# KiCad board kharon386_main.kicad_pcb (continued)
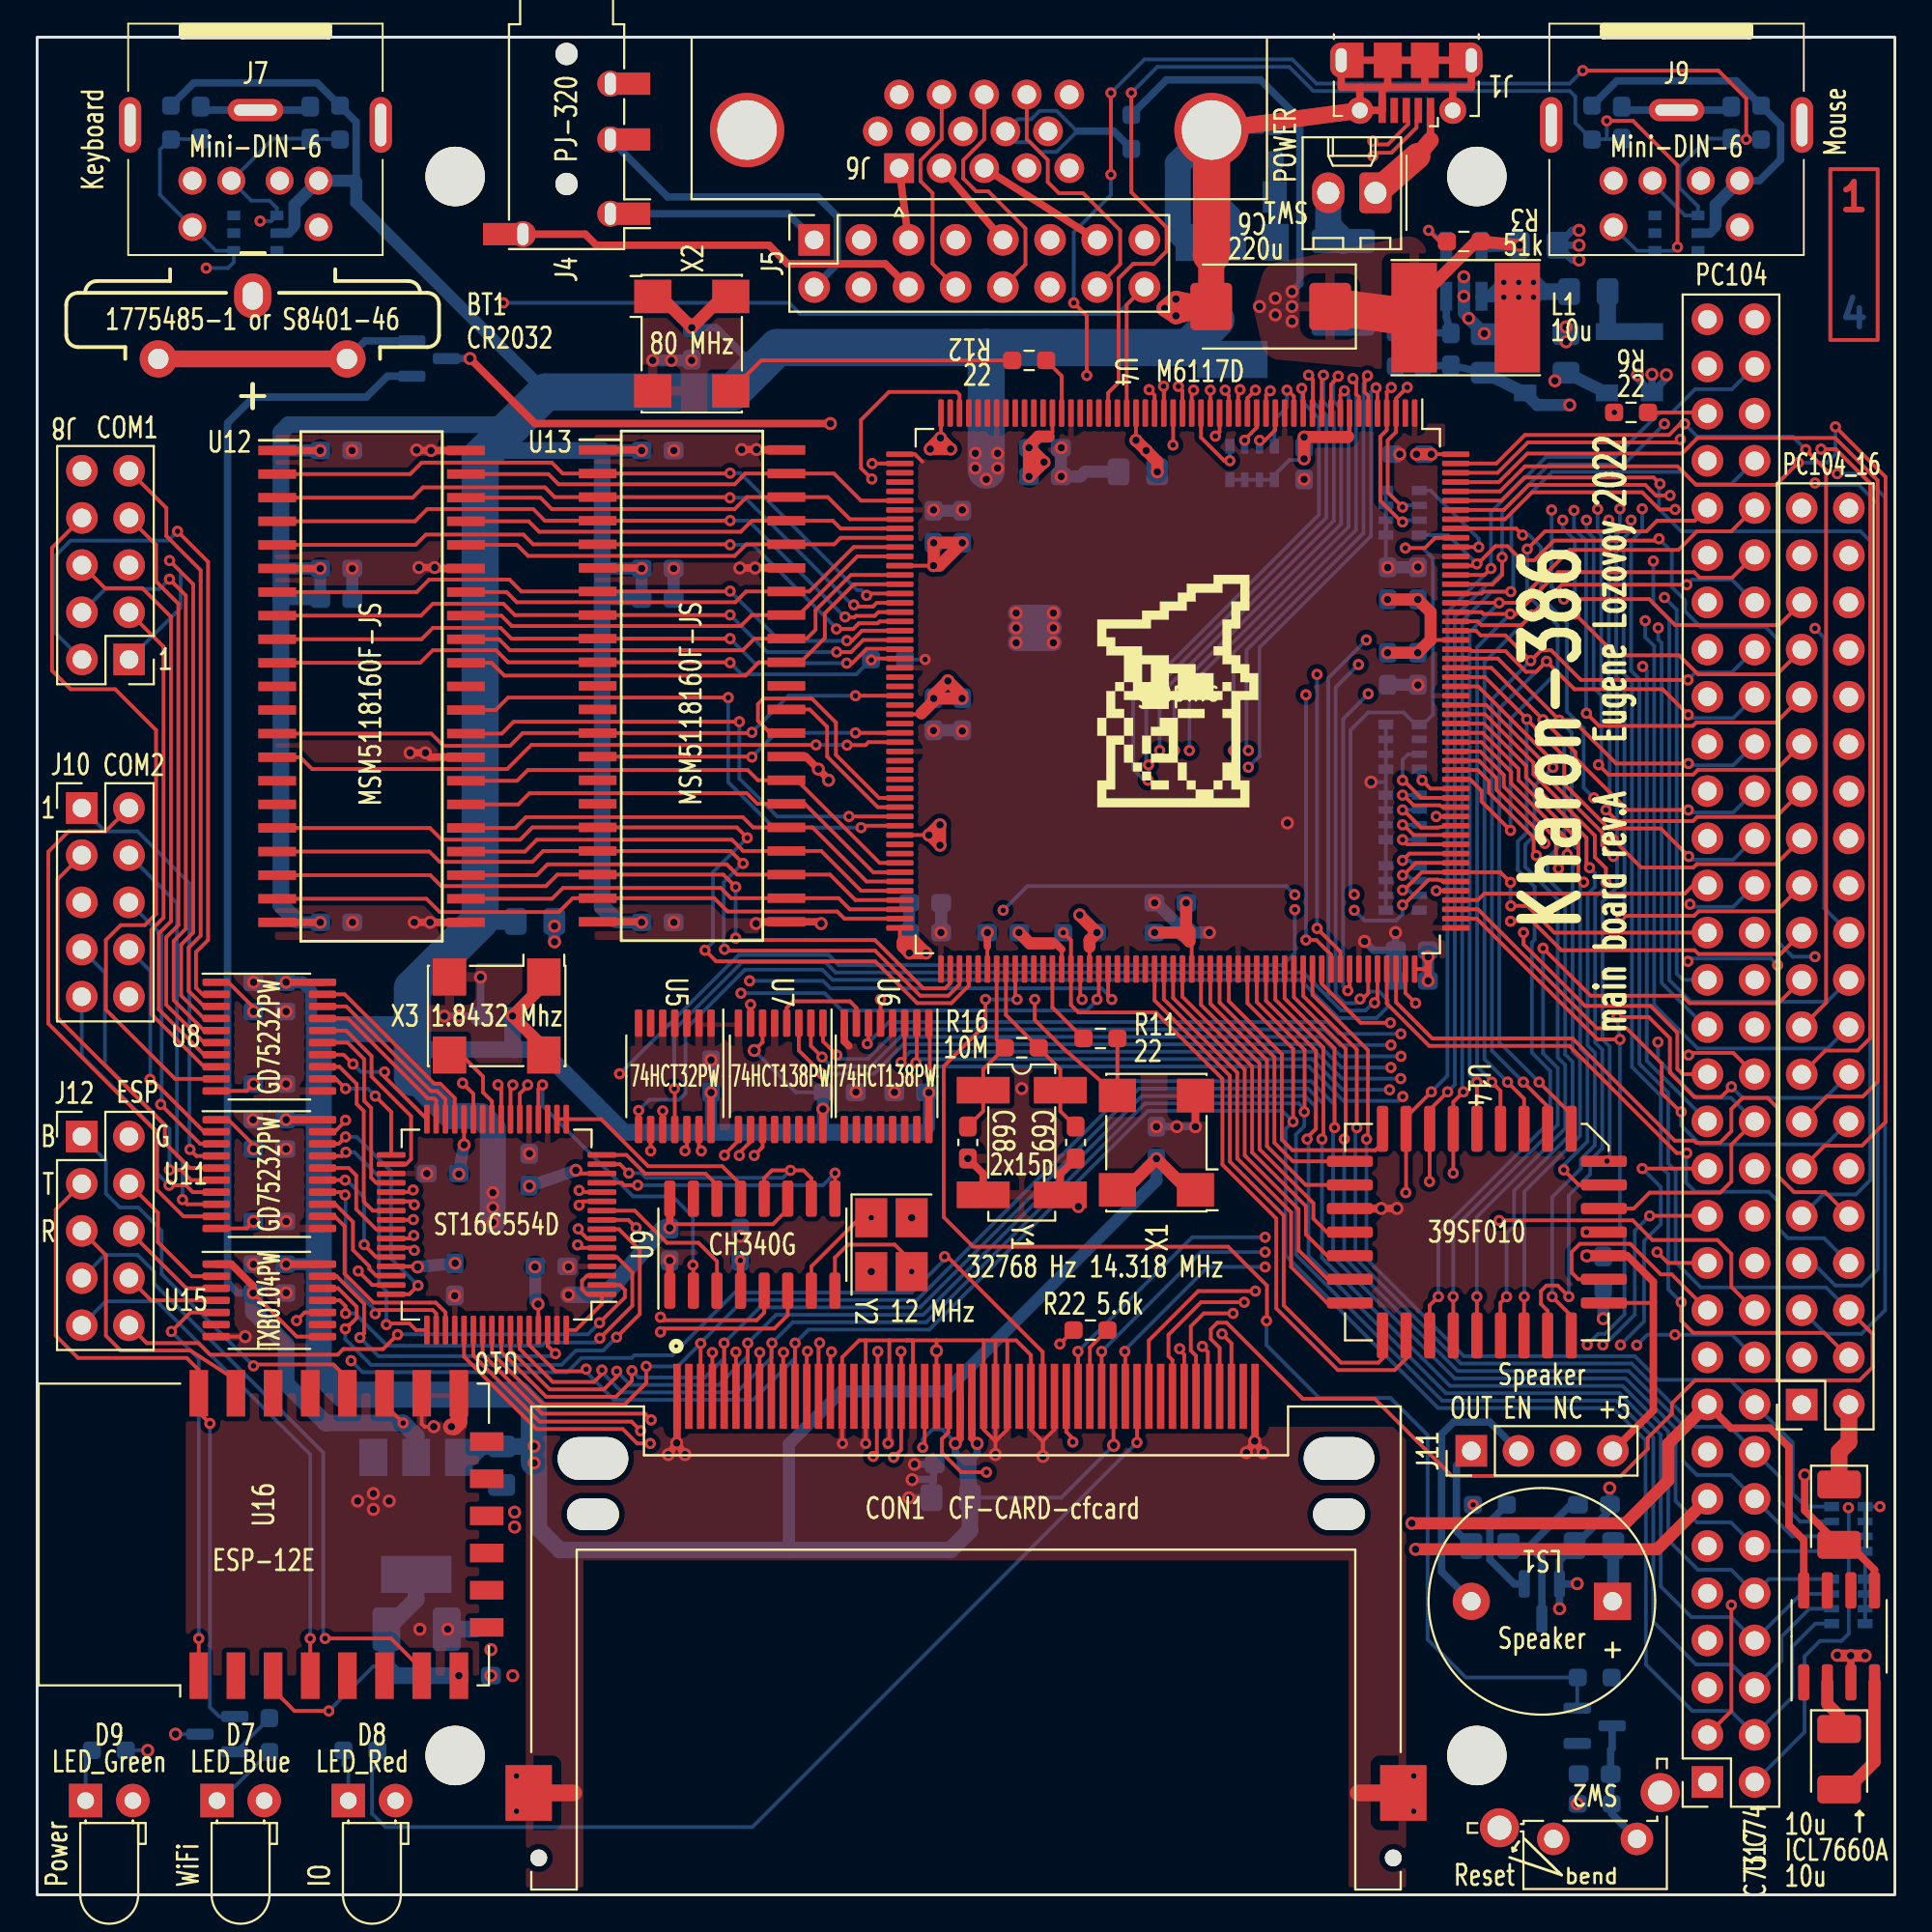
[diagram p0: board, top side]
## Routing (per net, layer and track width the routed paths; a pad name or vN(x,y) marks a point on that pad's centre or on a via; arc(x,y) is an arc through that point) (continued)
/0x2F8: length 22.6
  Top w0.2: v2(37,39.81) 37,39.85 37.75,40.6 U7.9 ; v2(20.27,35.49) 20.11,35.33 U10.42
  In2.Cu w0.2: v2(20.27,35.49) 20.31,35.49 25.92,41.1 35.71,41.1 v2(37,39.81)
/0x3E8: length 12.7
  Top w0.2: U7.10 38.4,40.55 37.8,39.95 v2(37.8,39.8) ; U10.11 29.38,37.33 v2(29.17,37.12)
  In2.Cu w0.2: v2(29.17,37.12) 29.25,37.2 35.24,37.2 37.8,39.76 v2(37.8,39.8)
/0x3F8: length 27.2
  Top w0.2: U10.38 20.12,37.33 v2(20.3,37.15) ; v2(38.4,47.93) 38.4,47.93 U7.7
  In2.Cu w0.2: v2(38.4,47.93) 37.13,47.93 31.1,41.9 22.2,41.9 19.61,39.31 19.61,37.7 20.17,37.15 v2(20.3,37.15)
/14MHz: length 78.7
  Top w0.2: R11.2 X1.3 55.2,45.6 53.7,47.1 v2(53.7,48.2)
  Top w0.4: v2(84.9,79.8) R6.2
  In2.Cu w0.2: v2(84.9,79.8) 82.15,82.55 71.88,82.55 61.85,84.05 55.15,84.05 52.5,81.4 52.5,74.7 53.7,73.5 v2(53.7,48.2)
/AEN: length 99.6
  Top w0.2: U4.199 75.25,73.05 74.7,72.5 v2(73.65,72.5) ; v2(78.7,36.3) 78.71,36.31 85.89,36.31 86.95,35.25 90.45,35.25 91.2,34.5 91.2,32.72 J3.22 ; U6.5 v2(45.4,48.2)
  In2.Cu w0.2: v2(70.9,53.85) 70.88,53.83 v2(67.7,53.83) 67.65,53.83 67.1,53.28 67.1,46.4 74,39.5 77.85,39.5 78.75,38.6 78.75,36.35 v2(78.7,36.3) ; v2(45.4,48.2) 49.1,48.2 52,51.1 v2(52,53)
  Bottom w0.2: v2(70.9,53.85) 70.7,54.05 70.7,62.7 71.65,63.65 73.55,63.65 74.2,63 RN3.1 74.6,63 75.14,63.54 75.14,71.94 74.58,72.5 v2(73.65,72.5) ; v2(67.7,53.83) 67.23,54.3 53.3,54.3 v2(52,53)
/BALE: length 31.9
  Top w0.2: v2(80.21,72.44) 81.17,73.4 86.62,73.4 87.2,73.97 89.23,73.97 89.91,74.66 ; U4.173 77.13,60.05 77.75,59.43 77.75,58.86 v2(79.31,57.3)
  Bottom w0.2: v2(80.21,72.44) 80.21,69.99 81.85,68.35 81.85,65.85 79.31,63.31 v2(79.31,57.3)
/BD0: length 34.7
  Top w0.2: U12.10 20.62,66.32 21.3,67 24.7,67 25.35,66.35 U13.10 37.28,66.35 v2(37.3,66.33) ; U4.75 44.97,66.55 v2(44.9,66.48)
  Bottom w0.2: R2.2 44.89,66.49 v2(44.9,66.48) 44.86,66.48 44.09,65.7 37.93,65.7 v2(37.3,66.33)
/BD1: length 34.9
  Top w0.2: U4.74 46.41,67.08 44.65,67.08 43.88,66.3 v2(43.58,66.3) ; v2(37.3,67.62) 37.29,67.62 U13.9 25.53,67.62 24.95,68.2 21.3,68.2 20.69,67.59 U12.9
  Bottom w0.2: v2(43.58,66.3) 38.62,66.3 v2(37.3,67.62)
/BD2: length 35.1
  Top w0.2: v2(37.3,68.9) 37.29,68.89 U13.8 25.71,68.89 25.1,69.5 21.3,69.5 20.66,68.86 U12.8 ; v2(43.04,66.9) 43.82,66.9 44.47,67.55 U4.73
  Bottom w0.2: v2(43.04,66.9) 39.3,66.9 v2(37.3,68.9)
/BD3: length 35.4
  Top w0.2: v2(37.3,70.18) 37.28,70.16 U13.7 26.06,70.16 25.42,70.8 21.1,70.8 20.43,70.13 U12.7 ; U4.72 44.4,68.05 43.87,67.52 v2(43.58,67.52)
  Bottom w0.2: v2(43.58,67.52) 43.57,67.5 39.98,67.5 v2(37.3,70.18)
/BD4: length 36
  Top w0.2: U4.71 45.35,68.55 45.25,68.45 44.24,68.45 43.93,68.14 v2(43.03,68.14) ; U12.5 20.37,72.67 20.92,73.22 26.18,73.22 26.7,72.7 U13.5 37.27,72.7 v2(37.3,72.67)
  Bottom w0.2: v2(37.3,72.67) 38.53,72.67 43.03,68.18 v2(43.03,68.14)
/BD5: length 36.3
  Top w0.2: U12.4 20.34,73.94 21,74.6 26.7,74.6 27.33,73.97 U13.4 37.3,73.97 v2(37.3,73.97) ; v2(43.49,68.79) 43.51,68.78 44,68.78 44.07,68.85 45.08,68.85 45.28,69.05 U4.70
  Bottom w0.2: v2(43.49,68.79) 43.46,68.79 38.28,73.97 v2(37.3,73.97)
/BD6: length 36.5
  Top w0.2: U12.3 20.21,75.21 20.76,75.76 27.34,75.76 27.86,75.24 U13.3 37.26,75.24 v2(37.29,75.21) ; v2(43.96,69.44) 44.05,69.35 45,69.35 45.2,69.55 U4.69
  Bottom w0.2: v2(37.29,75.21) 38.11,75.21 43.88,69.44 v2(43.96,69.44)
/BD7: length 36.8
  Top w0.2: U12.2 20.08,76.48 20.7,77.1 27.7,77.1 28.29,76.51 U13.2 37.28,76.51 v2(37.3,76.53) ; U4.68 44.75,70.05 v2(44.65,69.95)
  Bottom w0.2: v2(44.65,69.95) 44.36,70.24 44.14,70.24 37.84,76.53 v2(37.3,76.53)
/BD8: length 26.5
  Top w0.2: U12.33 24.46,66.32 25.15,65.63 38.13,65.63 38.85,66.35 U13.33 41.09,66.35 42.4,67.66 42.4,68.98 43.97,70.55 U4.67
/BD9: length 25.9
  Top w0.2: U12.34 24.86,67.59 25.45,67 37.99,67 38.61,67.62 U13.34 41.42,67.62 41.9,68.1 41.9,69.15 43.8,71.05 U4.66
/BD10: length 25.1
  Top w0.2: U12.35 24.99,68.86 25.55,68.3 37.88,68.3 38.47,68.89 U13.35 40.99,68.89 44.15,72.05 U4.64
/BD11: length 24.8
  Top w0.2: U12.36 25.27,70.13 25.82,69.58 37.58,69.58 38.16,70.16 U13.36 41.56,70.16 43.95,72.55 U4.63
/BD12: length 24
  Top w0.2: U12.38 25.83,72.67 26.43,72.07 37.55,72.07 38.17,72.7 U13.38 42.9,72.7 43.25,73.05 U4.62
/BD13: length 24
  Top w0.2: U12.39 26.46,73.94 27.03,73.37 37.87,73.37 38.47,73.97 U13.39 42.83,73.97 43.25,73.55 U4.61
/BD14: length 24.4
  Top w0.2: U12.40 27.09,75.21 27.7,74.6 37.55,74.6 38.19,75.24 U13.40 42.56,75.24 43.75,74.05 U4.60
/BD15: length 24.4
  Top w0.2: U12.41 27.52,76.48 28.07,75.93 37.55,75.93 37.9,76.28 37.9,76.3 38.11,76.51 U13.41 42.89,76.51 44.35,75.05 U4.58
/CAS0J0: length 29.2
  Top w0.2: U12.31 24.68,63.78 25.35,64.45 v2(37.2,64.45) ; U4.93 44.45,57.55 v2(44.35,57.45)
  Bottom w0.2: v2(44.35,57.45) 39.65,57.45 37.2,59.9 v2(37.2,64.45)
/CAS0J1: length 27.5
  Top w0.2: v2(37.8,63.15) 25.65,63.15 25.01,62.51 U12.30 ; v2(43.7,58.05) U4.92
  Bottom w0.2: v2(43.7,58.05) 39.84,58.05 37.8,60.09 v2(37.8,63.15)
/CAS1J0: length 9.2
  Top w0.2: U4.91 45.25,58.55 42.53,61.27 42.53,62.88 41.59,63.81 U13.31
/CAS1J1: length 13.7
  Top w0.2: U4.90 45.32,59.05 43,61.37 43,63.1 41.7,64.4 39.1,64.4 38.8,64.1 38.8,63.2 39.46,62.54 U13.30
/CD_COM1: length 8.9
  Top w0.2: U10.31 21.48,42.75 21.37,42.87 21.03,42.87 16.72,47.17 15.36,47.17
/CD_COM2: length 14.1
  Top w0.2: v2(16.62,39.98) 16.42,39.77 U11.17 ; v2(18.8,30.7) 18.86,30.76 20.04,30.76 20.39,30.41 U10.49
  Bottom w0.2: v2(18.8,30.7) 18.8,31.03 18.8,31.03 18.8,32.5 18.4,32.9 18.4,38.65 17.07,39.98 v2(16.62,39.98)
/CLK2: length 15.8
  Top w0.2: R12.2 38.98,82.6 X2.3
/CTS1: length 40.2
  Top w0.2: J8.8 0.8,72.51 0.8,65.9 1.8,64.9 4.2,64.9 6.4,62.7 6.4,52.8 5.8,52.2 4.5,52.2 3.7,51.4 3.7,47.65 7.42,43.92 U8.9
/CTS2: length 12.2
  Top w0.2: U11.2 8.98,41.07 6.16,43.9 v2(6.08,43.9)
  Bottom w0.2: v2(6.08,43.9) 6.09,43.91 6.09,49.74 J10.8
/CTS_COM1: length 6.7
  Top w0.2: U10.33 19.05,42.14 v2(18.2,43) ; U8.12 16.07,43.92 v2(16.6,43.4)
  Bottom w0.2: v2(18.2,43) 17.8,43.4 v2(16.6,43.4)
/CTS_COM2: length 12.2
  Top w0.2: U11.19 16.02,41.07 16.6,41.66 v2(16.6,41.7) ; v2(17.28,33.58) 18.03,32.83 U10.47
  In2.Cu w0.2: v2(17.28,33.58) 17,33.86 17,35.25 17.22,35.47 17.22,41.08 v2(16.6,41.7)
/CTS_ESP: length 30.4
  Top w0.2: v2(30.27,30.8) 31.64,32.16 31.64,32.56 31.37,32.83 U10.2 ; v2(19.4,30.16) 18.62,29.38 16.48,29.38 16.17,29.07 9.33,29.07 9.26,29.12 8.69,29.7 5.9,29.7 J12.10
  Bottom w0.2: v2(19.4,30.16) 19.42,30.17 29.65,30.17 v2(30.27,30.8)
/CTS_USB: length 7.6
  Top w0.2: U10.16 31.72,39.83 32.72,38.82 35.97,38.82 36.59,38.2 U9.14
/DACK0: length 61.6
  Top w0.2: v2(65.81,78.29) 66.09,78.29 66.65,78.85 U4.16
  In2.Cu w0.2: v2(86.56,68.59) 86.27,68.3 75.6,68.3 75.15,68.75 72.75,68.75 65.81,75.7 v2(65.81,78.29)
  Bottom w0.2: v2(65.81,78.29) 65.81,77.99 RN6.7 ; J2.18 96.38,45.56 89.39,45.56 87.05,47.9 87.05,67.22 86.56,67.7 v2(86.56,68.59)
/DACK1: length 52.8
  Top w0.2: U4.18 65.65,78.99 65,78.34 v2(65,78.3)
  In2.Cu w0.2: v2(87.26,68.2) 86.96,67.9 75.43,67.9 74.98,68.35 72.59,68.35 65,75.94 v2(65,78.3)
  Bottom w0.2: v2(87.26,68.2) 87.26,67.57 87.45,67.39 87.45,49.09 89.82,46.71 J3.33 ; v2(65,78.3) RN6.6
/DACK2: length 34
  Top w0.2: U4.20 64.65,80.93 v2(64.75,81.03)
  In2.Cu w0.2: J3.51 89.54,69.2 86.7,69.2 85.5,70.4 80.05,70.4 79.7,70.75 79.06,70.75 78.71,70.4 71.67,70.4 66.5,75.57 66.5,79.15 64.75,80.9 v2(64.75,81.03)
/DACK3: length 57.9
  Top w0.2: v2(63.42,78.52) 63.65,78.75 U4.22
  In2.Cu w0.2: v2(63.42,78.52) 63.42,74.78 72,66.2 75.22,66.2 75.61,65.8 86.1,65.8 v2(86.42,66.12)
  Bottom w0.2: J3.29 86.65,44.9 86.65,65.9 v2(86.42,66.12)
/DACK5: length 57.7
  Top w0.2: U4.24 62.65,78.45 63.9,77.2 v2(64.2,77.2)
  In2.Cu w0.2: v2(64.2,77.2) 64.2,76.17 72.42,67.95 74.82,67.95 75.27,67.5 88.75,67.5 89.43,68.18 95.46,68.18 95.47,68.17 v2(95.7,68.17)
  Bottom w0.2: J2.22 96.2,53.11 96.2,67.67 v2(95.7,68.17) ; v2(64.2,77.2) RN6.5
/DACK6: length 61.5
  Top w0.2: U4.26 61.65,80.98 v2(61.43,81.2)
  In2.Cu w0.2: J2.26 96.14,55.48 89.43,55.48 89.25,55.3 88.4,55.3 87.48,56.22 87.48,58.41 84.46,61.43 78.9,61.43 78.48,61.85 70.2,61.85 58.4,73.65 58.4,81.1 59.4,82.1 60.59,82.1 61.43,81.26 v2(61.43,81.2)
/DACK7: length 55.7
  Top w0.2: 60.65,81.25 U4.28 60.65,81.19 v2(60.63,81.21)
  In2.Cu w0.2: v2(60.63,81.21) 60.22,81.62 59.61,81.62 59.26,81.27 59.26,80.78 62,78.03 62,73.45 71.83,63.62 75.09,63.62 75.67,64.2 84.2,64.2 88.1,60.3 89.17,60.3 89.43,60.56 96.14,60.56 J2.30
/DCD1: length 33.3
  Top w0.2: v2(7.12,71.82) 8.4,70.55 8.4,51.8 7.75,51.15 7.75,48.41 8.98,47.17 9.64,47.17
  Bottom w0.2: J8.1 7.72,69.27 7.72,71.23 v2(7.12,71.82)
/DCD2: length 23.4
  Top w0.2: v2(8.22,40.12) 8.57,39.77 U11.4
  Bottom w0.2: v2(8.22,40.12) 8.2,40.15 8.2,54.45 5.4,57.25 3.66,57.25 J10.1
/DRQ0: length 62.1
  Top w0.2: U4.17 66.15,80.74 v2(66.38,80.96)
  In2.Cu w0.2: v2(87,71.8) 82.27,71.8 80.27,73.8 76.75,73.8 76.2,73.25 69.95,73.25 67.3,75.9 67.3,80 66.38,80.92 v2(66.38,80.96)
  Bottom w0.2: J2.20 96.35,48.07 89.03,48.07 87.86,49.24 87.86,68.64 87,69.5 v2(87,71.8)
/DRQ1: length 53
  Top w0.2: v2(65.58,81) 65.15,80.57 U4.19
  In2.Cu w0.2: v2(65.58,81) 65.58,80.91 66.13,80.36 66.14,80.36 66.9,79.6 66.9,75.73 71.83,70.8 78.55,70.8 78.9,71.15 79.87,71.15 80.22,70.8 85.67,70.8 86.63,69.84 v2(87.6,69.84)
  Bottom w0.2: J3.35 88.59,49.25 88.26,49.59 88.26,69.17 v2(87.6,69.84)
/DRQ2: length 86.4
  Top w0.2: v2(63.95,81) 64.1,80.85 64.1,80.75 64.15,80.7 U4.21
  In2.Cu w0.2: 89.91,18.78 87.96,20.72 87.96,28.43 87.16,29.23 87.16,30.59 84.6,33.15 84.6,37.63 83.5,38.73 83.5,42.85 73.75,52.6 73.3,52.6 72.45,53.45 72.45,57.9 57.2,73.15 57.2,81.6 58.9,83.3 61.7,83.3 63.95,81.05 v2(63.95,81)
/DRQ3: length 66.6
  Top w0.2: U4.23 v2(63.15,81) ; 89.91,44.17 88.57,44.17 88.29,44.46 88.29,46.41 86.85,47.85 83.32,47.85 80.01,51.16 v2(80.01,51.8)
  In2.Cu w0.2: v2(63.15,81) 63.15,81.22 61.46,82.9 59.07,82.9 57.6,81.44 57.6,73.32 69.87,61.05 78.15,61.05 80.01,59.19 v2(80.01,51.8)
/DRQ5: length 65.1
  Top w0.2: v2(62.25,81) 62.15,80.9 U4.25
  In2.Cu w0.2: J2.24 96.14,52.94 89.43,52.94 89.22,52.73 88.72,52.73 86.3,55.15 86.3,57.7 84.35,59.65 80.12,59.65 78.31,61.45 70.03,61.45 58,73.48 58,81.27 59.23,82.5 61.3,82.5 62.25,81.55 v2(62.25,81)
/DRQ6: length 50.7
  Top w0.2: v2(61.14,78.04) 61.15,78.05 U4.27
  In2.Cu w0.2: v2(61.14,78.04) 61.14,72.6 71.1,62.65 78.81,62.65 79.23,62.23 84.8,62.23 88.28,58.75 88.28,58.15 88.63,57.8 89.21,57.8 89.43,58.02 96.14,58.02 J2.28
/DRQ7: length 50.2
  Top w0.2: v2(59.86,81.02) 60.15,80.73 U4.29
  In2.Cu w0.2: J2.32 96.14,63.1 89.3,63.1 89.12,62.92 87.58,62.92 85.5,65 75.34,65 74.81,64.48 72.67,64.48 71.82,65.33 71.18,65.33 62.9,73.6 62.9,77.98 v2(59.86,81.02)
/DSR1: length 31.4
  Top w0.2: U8.7 8.98,45.22 6.55,47.66 6.55,51.75 7.2,52.4 7.2,68.8 5.66,70.34 3.65,70.34 J8.6
/DSR2: length 15.5
  Top w0.2: v2(6.65,42.55) 8.77,40.42 U11.3
  Bottom w0.2: J10.6 6.7,51.67 6.7,42.6 v2(6.65,42.55)
/DSR_COM1: length 7.2
  Top w0.2: v2(17,44.73) 16.5,45.22 U8.14 ; U10.32 18.7,44.03 v2(18.7,44.3)
  Bottom w0.2: v2(17,44.73) 17.43,44.3 v2(18.7,44.3)
/DSR_COM2: length 13
  Top w0.2: v2(16.6,40.8) 16.22,40.42 U11.18 ; v2(20.5,32.8) 20.03,32.33 U10.48
  Bottom w0.2: v2(16.6,40.8) 17.2,40.8 19.05,38.95 19.05,34.25 v2(20.5,32.8)
/DSR_USB: length 12.1
  Top w0.2: U10.18 U10.17 30.36,41.75 32.89,39.22 36.88,39.22 37.86,38.23 37.86,37.47
/DTR1: length 31.7
  Top w0.2: U8.5 8.98,46.52 7.35,48.16 7.35,51.35 8,52 8,69.95 v2(7.12,70.82)
  Bottom w0.2: J8.4 3.67,70.3 6.6,70.3 v2(7.12,70.82)
/DTR2: length 21.7
  Top w0.2: v2(7.82,37.42) 8.07,37.17 U11.8
  Bottom w0.2: v2(7.82,37.42) 7.82,39.48 7.52,39.78 7.52,53.38 J10.4
/DTR_COM1: length 10.8
  Top w0.2: U8.16 16.63,46.52 18,45.16 18,44.05 20.13,41.92 20.13,39.6 19.86,39.33 U10.34
/DTR_COM2: length 6.2
  Top w0.2: U11.13 16.05,37.17 17,36.23 17,34.71 17.88,33.83 17.88,33.7 18.25,33.33 U10.46
/DTR_USB: length 15.7
  Top w0.2: U9.12 39.13,38.58 39.55,39 v2(40.55,39) 41.25,39 41.67,38.57 U9.10 ; v2(31.85,38.85) 31.37,39.33 U10.15
  Bottom w0.2: v2(31.85,38.85) 32.52,38.85 32.77,38.6 40.15,38.6 v2(40.55,39)
/ESP_BOOT: length 23
  Top w0.2: v2(11.65,28.48) 11.72,28.55 15.95,28.55 16.7,27.8 U16.18
  Bottom w0.2: J12.1 3.7,39.52 3.7,37.75 4.45,37 5.45,37 6.7,35.75 6.7,33.42 v2(11.65,28.48)
/ESP_CTS: length 34.6
  Top w0.2: v2(15.5,13.8) 19.05,13.8 20.7,12.15 U16.7
  Bottom w0.2: v2(15.5,13.8) 15.4,13.9 15.4,23.8 6.3,32.9 6.3,33.55 5.4,34.45 3.65,34.45 J12.7
/ESP_RST: length 22
  Top w0.2: U16.1 v2(8.7,13.8) ; U15.5 8.25,31.35 v2(7.23,30.33)
  Bottom w0.2: v2(7.23,30.33) 8.7,28.85 v2(8.7,13.8)
/ESP_RTS: length 28.2
  Top w0.2: v2(14.7,13.8) U16.4
  Bottom w0.2: J12.9 3.69,31.95 6.45,31.95 14.7,23.7 v2(14.7,13.8)
/ESP_RX: length 13.9
  Top w0.2: J12.5 3.7,34.44 3.7,30.1 4.5,29.3 8.25,29.3 10.65,27.75
/ESP_TX: length 37.2
  Top w0.2: J12.3 1,36.88 1,30.1 2.2,28.9 8.05,28.9 8.7,28.25 U16.22 8.7,25.97 v2(9.3,25.38)
  Bottom w0.2: Q1.1 9.8,9.6 9.3,10.1 9.3,25.37 v2(9.3,25.38)
/HDCS0: length 73
  Top w0.2: v2(44.93,76.22) 44.35,76.8 44.35,79.4 45.85,80.9 49.5,80.9 49.65,80.75 U4.50 ; v2(42.12,29.71) 42.06,29.66 42.06,26.84 CON1.7
  In2.Cu w0.2: v2(42.12,29.71) 42.12,28.95 41.77,28.6 36.6,28.6 36.6,28.59 35.58,28.59 35.1,29.07 35.1,29.92 41.65,36.47 41.65,51 41.2,51.45 41.2,58.12 41.2,72.49 v2(44.93,76.22)
/HDCS1: length 65.7
  Top w0.2: U4.54 44.95,77.05 v2(44.95,77.05) ; v2(42.76,29.23) 42.7,29.17 CON1.32
  In2.Cu w0.2: v2(44.95,77.05) 44.91,77.05 40.8,72.94 40.8,51.29 41.25,50.83 41.25,36.63 34.7,30.08 34.7,28.91 35.41,28.19 36.76,28.19 36.77,28.2 42.15,28.2 42.76,28.8 v2(42.76,29.23)
/IOCHK: length 92.6
  Top w0.2: v2(87.3,73) 87.2,72.9 81.65,72.9 80.59,71.84 79.91,71.84 79.15,72.6 78.5,72.6 77.55,71.65 v2(77.5,71.65) 77.4,71.55 U4.196
  In2.Cu w0.2: v2(97.5,20.84) 96.25,22.09 96.25,49.95 v2(95.7,50.5)
  Bottom w0.2: v2(95.7,50.5) 94.5,50.5 93.7,51.3 93.7,67.59 93.04,68.25 89.55,68.25 88.7,69.1 88.7,69.69 87.99,70.4 87.99,72.31 v2(87.3,73) ; v2(77.5,71.65) 75.95,73.2 RN5.4 ; J3.2 95.14,8.76 95.14,12.84 95.97,13.67 97.13,13.67 97.52,14.06 97.52,20.82 v2(97.5,20.84)
/IOCHRDY: length 78.5
  Top w0.2: CON1.42 55.4,24.92 55.75,24.57 v2(55.75,24.38) ; U4.164 74.21,55.55 73.55,54.89 v2(73.5,54.89)
  In2.Cu w0.2: v2(88.16,30.15) 88.16,30.72 85.4,33.48 85.4,38.69 85.1,38.99 85.1,42.38 74.3,53.18 74.3,54.13 73.55,54.89 v2(73.5,54.89) ; v2(55.75,24.38) 56.68,23.45 60.98,23.45 67.75,30.21 85.54,30.21 86.11,29.64 v2(86.11,29.59)
  Bottom w0.2: J3.20 91.23,30.15 v2(88.16,30.15) 86.67,30.15 v2(86.11,29.59) ; v2(73.5,54.89) 73.76,54.89 74.05,54.6 RN4.2
/IOCS16: length 125.8
  Top w0.2: J2.6 98.8,30.19 98.8,28.4 98.1,27.7 89.25,27.7 88,26.45 88,25.9 86.7,24.6 86.7,24 85.25,22.55 76.15,22.55 72,26.7 68.13,26.7 64.03,30.8 63.53,30.8 63.18,30.45 63.18,29.92 63.65,29.44 CON1.24 ; v2(73.75,81.15) 73.15,80.55 U4.3 73.15,78.75 72.7,78.3 72.7,75.5 v2(73.5,74.7)
  In2.Cu w0.2: v2(86.4,74.61) 86.4,75.31 80.56,81.15 v2(73.75,81.15)
  Bottom w0.2: J2.6 96.29,32.7 89.55,32.7 88.2,34.05 88.2,38.96 87.8,39.37 87.8,43.18 86.25,44.73 86.25,65.45 85.8,65.9 85.8,72.87 86.4,73.47 v2(86.4,74.61) ; RN5.2 73.6,74.8 v2(73.5,74.7)
/IOR: length 127.7
  Top w0.2: v2(20.25,36.35) 20.23,36.33 U10.40 ; v2(86.4,39.1) 86.41,39.09 J3.27 ; v2(45.25,29.25) 45.24,29.24 CON1.34 45.2,26.8 45.2,23.8 v2(45,23.6) ; U4.166 73.75,56.55 v2(73.5,56.8)
  In2.Cu w0.2: v2(20.25,36.35) 19.67,35.77 19.67,32.63 22.05,30.25 25.35,30.25 28.21,27.39 43.39,27.39 v2(45.25,29.25) ; v2(86.4,39.1) 85.9,39.6 85.9,42.71 76.1,52.51 76.1,54.68 73.98,56.8 v2(73.5,56.8) ; v2(45,23.6) 45,21.73 46.68,20.05 59.28,20.05 67.83,28.6 84.23,28.6 v2(85.23,29.6)
  Bottom w0.2: v2(86.4,39.1) 87.4,38.1 87.4,36.1 86.5,35.2 86.5,30.87 v2(85.23,29.6) ; v2(73.5,56.8) RN7.4
/IOW: length 116.7
  Top w0.2: v2(86.8,36.55) 86.81,36.55 J3.25 ; v2(46.1,23.55) 46.51,23.96 CON1.35 46.51,29.24 v2(46.5,29.25) ; v2(32.24,35.91) 31.82,36.33 U10.9 ; v2(73.5,57.6) 73.55,57.6 74.1,57.05 U4.167
  In2.Cu w0.2: v2(46.1,23.55) 46.1,21.2 46.85,20.45 59.12,20.45 67.67,29 83.68,29 v2(84.28,29.6) ; v2(32.24,35.91) 32.24,30.26 34.71,27.79 36.93,27.79 36.93,27.8 42.6,27.8 44.8,30 45.75,30 v2(46.5,29.25) ; v2(86.8,36.55) 87,36.75 87,39.45 86.3,40.15 86.3,42.87 76.5,52.68 76.5,54.84 73.74,57.6 v2(73.5,57.6)
  Bottom w0.2: v2(86.8,36.55) 86,35.75 86,31.23 84.37,29.6 v2(84.28,29.6) ; v2(73.5,57.6) RN7.3
/IRQ3: length 86.4
  Top w0.2: v2(34.3,43.4) 34.32,43.38 U5.11 ; v2(71.99,48.02) 72.15,48.18 U4.152
  In2.Cu w0.2: v2(71.55,67.55) 74.65,67.55 75.16,67.03 J3.49
  Bottom w0.2: 69.5,48.31 68.16,49.65 42.98,49.65 42.43,50.2 37.94,50.2 34.3,46.56 v2(34.3,43.4) ; 69.5,48.31 69.5,65.5 v2(71.55,67.55) ; 69.5,48.31 70.21,47.6 71.5,47.6 71.92,48.02 v2(71.99,48.02)
/IRQ4: length 91.3
  Top w0.2: U5.8 v2(32.38,42.22) ; U4.151 71.65,48.53 71.35,48.23 v2(71.21,48.23)
  In2.Cu w0.2: v2(71.13,66.23) 71.55,65.8 75.05,65.8 75.45,65.4 85.95,65.4 86.85,64.49 J3.47
  Bottom w0.2: v2(32.38,42.22) 32.95,42.8 34.55,42.8 34.9,43.15 34.9,46.6 38.1,49.8 42.27,49.8 42.82,49.25 68,49.25 70.05,47.2 72.1,47.2 72.7,47.8 72.7,48.17 72.24,48.62 71.75,48.62 71.35,48.23 v2(71.21,48.23) 70.99,48 70.38,48 69.9,48.48 69.9,48.87 69.9,48.87 69.9,65 v2(71.13,66.23)
/IRQ5: length 37.7
  Top w0.2: v2(70.55,48.67) 70.65,48.77 U4.149
  In2.Cu w0.2: 89.91,61.95 87.54,61.95 84.9,64.6 75.5,64.6 74.98,64.08 72.22,64.08 v2(71.65,64.65)
  Bottom w0.2: v2(70.55,48.67) 70.3,48.93 70.3,63.3 v2(71.65,64.65)
/IRQ6: length 40
  Top w0.2: v2(68.9,52.02) 70.15,50.77 U4.148
  In2.Cu w0.2: v2(68.9,65.7) 68.91,65.7 71.56,63.05 78.98,63.05 79.39,62.63 84.97,62.63 88.19,59.41 J3.43
  Bottom w0.2: v2(68.9,52.02) 68.9,65.1 68.9,65.1 v2(68.9,65.7)
/IRQ7: length 40.8
  Top w0.2: U4.147 69.65,50.6 68.85,51.4 v2(68.3,51.4)
  In2.Cu w0.2: 89.91,56.88 88.99,56.88 87.88,57.99 87.88,58.59 84.64,61.83 79.06,61.83 78.65,62.25 70.65,62.25 v2(68.3,64.6)
  Bottom w0.2: v2(68.3,51.4) 68.3,64.6 v2(68.3,64.6)
/IRQ9: length 49.2
  Top w0.2: U4.146 69.15,49.04 71.24,46.94 v2(72.84,46.94)
  In2.Cu w0.2: J3.7 87.56,16.04 87.56,28.26 86.76,29.06 86.76,30.43 84.2,32.99 84.2,37.47 83.1,38.57 83.1,42.68 78.84,46.94 v2(72.84,46.94)
/IRQ10: length 34.4
  Top w0.2: v2(88.8,39.93) 88.25,39.93 82.48,45.7 74.93,45.7 72.65,47.98 U4.153
  Bottom w0.2: v2(88.8,39.93) 88.76,39.89 88.76,38.34 89.25,37.85 93.2,37.85 93.75,37.3 93.75,35.85 94.25,35.35 96.19,35.35 J2.8
/IRQ11: length 35.8
  Top w0.2: J2.10 96.25,37.82 94.57,37.82 93.7,38.7 93.7,42.35 93.15,42.9 91.8,42.9 91.2,42.3 91.2,41.1 90.59,40.48 89.31,40.48 89.2,40.6 88.15,40.6 82.65,46.1 75.1,46.1 73.15,48.05 U4.154
/IRQ14: length 87.9
  Top w0.2: v2(51.1,22.75) 49.75,22.75 48.7,23.8 48.7,24.54 49.05,24.89 CON1.37 ; v2(85.05,47.25) 86.76,47.25 87.89,46.11 87.89,44.26 89.2,42.95 90.65,42.95 v2(91.2,43.5) ; v2(85.2,46.05) 84,46.05 77.49,52.55 U4.158
  In2.Cu w0.2: v2(83.44,29.61) 83.44,29.6 67.7,29.6 60.85,22.75 v2(51.1,22.75)
  Bottom w0.2: v2(83.44,29.61) 84.04,30.2 84.4,30.2 85.45,31.24 85.45,35.75 85.2,36 v2(85.2,46.05) v2(85.05,47.25) ; v2(91.2,43.5) 91.8,42.9 96.25,42.9 J2.16
/IRQ15: length 28.3
  Top w0.2: v2(88.5,42.15) 88.46,42.15 87.45,43.16 87.45,44.75 85.55,46.65 83.96,46.65 77.56,53.05 U4.159
  Bottom w0.2: v2(88.5,42.15) 88.5,41.42 89.52,40.4 96.29,40.4 J2.14
/KBCLK: length 98.2
  Top w0.2: U4.122 57.15,48.3 v2(57.05,48.2)
  In2.Cu w0.2: v2(37.88,48.54) 33.66,48.54 28,54.2 10.43,54.2 8.35,56.28 8.35,86.82 v2(9.1,87.57)
  Bottom w0.2: v2(9.1,87.57) 10.27,87.57 10.58,87.88 U18.1 9.62,88.5 J7.5 6.61,91.51 6.61,93.95 7.2,94.54 8.8,94.49 ; v2(37.88,48.54) 42.39,48.54 43.32,47.6 56.5,47.6 57.05,48.15 v2(57.05,48.2)
/KBDAT: length 99.3
  Top w0.2: U4.123 57.65,48.4 v2(57.85,48.2)
  In2.Cu w0.2: v2(12,90.1) 9.7,87.8 9.7,56.3 11.1,54.9 28.3,54.9 34,49.2 v2(38.35,49.2)
  Bottom w0.2: v2(12,90.1) 12.6,90.1 U18.4 12.91,90.79 12.5,91.2 11.52,91.2 J7.1 12.71,94.54 C63.1 R9.2 ; v2(57.85,48.2) 57.85,48.25 57.3,48.8 42.71,48.8 42.3,49.2 v2(38.35,49.2)
/KBSJ: length 37.3
  Top w0.2: U14.22 73.69,28.86 73.07,28.25 70.02,28.25 66.7,31.57 66.7,36.41 63.8,39.31 63.8,43.93 60.23,47.5 56.05,47.5 55.65,47.9 U4.119 55.65,51.39 v2(55.24,51.8)
/LA17: length 52.4
  Top w0.2: v2(88.68,79.18) 88.44,79.18 87.84,78.59 80.09,78.59 78.55,77.05 U4.207 ; J2.17 96.3,48.02 96.3,76.7 v2(95.2,77.8)
  Bottom w0.2: v2(88.68,79.18) 89.36,78.5 94.5,78.5 v2(95.2,77.8)
/LA18: length 58.6
  Top w0.2: U4.206 78.62,76.55 80.25,78.19 88.29,78.19 v2(88.45,78.35) ; v2(96.02,77.82) 96.82,77.82 98.67,75.97 98.67,46.12 98,45.45 96.26,45.45 J2.15
  In2.Cu w0.2: v2(96.02,77.82) 95.26,78.59 88.69,78.59 v2(88.45,78.35)
/LA19: length 62
  Top w0.2: J2.13 96.33,42.97 98.27,42.97 99.07,43.77 99.07,76.14 96.79,78.42 89.38,78.42 88.54,77.59 80.22,77.59 78.68,76.05 U4.205
/LA20: length 67.7
  Top w0.2: J2.11 96.22,40.33 98.23,40.33 99.5,41.6 99.5,76.32 v2(96.8,79.02) ; v2(94.8,77.1) 93.6,75.9 89.3,75.9 88.3,76.9 80.1,76.9 78.75,75.55 U4.204
  Bottom w0.2: v2(94.8,77.1) 96.35,77.1 96.8,77.55 v2(96.8,79.02)
/LA21: length 64
  Top w0.2: U4.203 78.81,75.05 80.06,76.3 87.01,76.3 v2(87.36,75.96)
  Bottom w0.2: v2(87.36,75.96) 87.3,75.9 87.3,74.6 88.5,73.4 98.15,73.4 98.67,72.87 98.67,38.47 97.9,37.7 96.13,37.7 J2.9
/LA22: length 70.4
  Top w0.2: v2(87.9,75.33) 87.13,75.33 86.57,75.9 80.3,75.9 78.95,74.55 U4.202
  In1.Cu w0.2: v2(87.9,75.33) 88.57,76 v2(95.7,76)
  Bottom w0.2: v2(95.7,76) 95.8,75.9 98.05,75.9 99.07,74.88 99.07,33.67 98.2,32.8 96.8,32.8 95.59,34.01 J2.7
/LA23: length 74.8
  Top w0.2: U4.201 79.02,74.05 80.47,75.5 86.4,75.5 87.32,74.58 v2(88.17,74.58)
  In2.Cu w0.2: v2(96.9,76.5) 96.8,76.6 95.3,76.6 94.6,75.9 89.49,75.9 v2(88.17,74.58)
  Bottom w0.2: v2(96.9,76.5) 98.2,76.5 99.47,75.23 99.47,31.47 98.2,30.2 96.25,30.2 J2.5
/MA0: length 49.7
  Top w0.2: v2(38.22,56.9) 37.66,57.46 U13.17 26.66,57.46 26,56.8 21.77,56.8 21.14,57.43 U12.17 ; U4.108 50.15,48.94 49.21,48 47.37,48 45.12,50.25 36.55,50.25 v2(35.95,50.85)
  Bottom w0.2: v2(35.95,50.85) 36.38,51.28 36.38,55.06 v2(38.22,56.9)
/MA1: length 45.7
  Top w0.2: v2(38,55.52) 37.33,56.19 U13.18 27.24,56.19 26.66,55.61 21.67,55.61 21.11,56.16 U12.18 ; U4.107 49.65,49.01 49.05,48.4 47.53,48.4 45.11,50.82 37.08,50.82 v2(37,50.9)
  Bottom w0.2: v2(37,50.9) 36.96,50.94 36.96,54.5 37.97,55.52 v2(38,55.52)
/MA2: length 41.8
  Top w0.2: U4.106 49.15,49.07 48.88,48.8 47.7,48.8 45.1,51.4 37.7,51.4 v2(37.6,51.5) ; U12.19 21.16,54.89 21.75,54.3 27.38,54.3 28,54.92 U13.19 36.94,54.92 v2(37.6,54.26)
  Bottom w0.2: v2(37.6,51.5) v2(37.6,54.26)
/MA3: length 34.6
  Top w0.2: U4.103 43.45,52.55 43.07,52.93 37.17,52.93 36.45,53.65 U13.20 28.83,53.65 28.08,52.9 21.67,52.9 20.95,53.62 U12.20
/MA4: length 24.1
  Top w0.2: U4.102 43.75,53.05 43.15,53.65 U13.23 37.35,53.65 36.8,54.2 28.3,54.2 27.72,53.62 U12.23
/MA5: length 24.4
  Top w0.2: U4.101 44.05,53.55 42.68,54.92 U13.24 37.68,54.92 37.13,55.47 27.47,55.47 26.89,54.89 U12.24
/MA6: length 24.8
  Top w0.2: U4.100 44.35,54.05 42.21,56.19 U13.25 38.01,56.19 37.4,56.8 26.9,56.8 26.26,56.16 U12.25
/MA7: length 25
  Top w0.2: U12.26 25.73,57.43 26.31,58.01 37.99,58.01 38.54,57.46 U13.26 41.74,57.46 44.65,54.55 U4.99
/MA8: length 25.4
  Top w0.2: U4.98 45,55.05 41.32,58.73 U13.27 38.77,58.73 38.2,59.3 26.5,59.3 25.9,58.7 U12.27
/MA9: length 25.7
  Top w0.2: U4.97 45.35,55.55 40.9,60 U13.28 38.8,60 38.25,60.55 26.42,60.55 25.83,59.97 U12.28
/MASTER: length 27.2
  Top w0.2: v2(77.6,72.55) U4.198
  In2.Cu w0.2: J2.36 96.29,70.8 89.37,70.8 88.97,71.2 88.15,71.2 80.61,71.2 79.21,72.6 77.65,72.6 v2(77.6,72.55)
  Bottom w0.2: v2(77.6,72.55) 77.6,73 75,75.6 RN5.1
/MEMCS16: length 80
  Top w0.2: J2.4 96.2,30.25 89.15,30.25 88.5,30.9 v2(88.5,31.9) ; v2(72.89,81.14) 72.65,80.9 U4.4 72.65,78.85 72.3,78.5 72.3,75.06 73.45,73.9 v2(73.5,73.9)
  In2.Cu w0.2: v2(85.8,74) 85.8,75.34 80.59,80.55 73.4,80.55 72.89,81.06 v2(72.89,81.14)
  Bottom w0.2: RN5.3 73.6,74 v2(73.5,73.9) ; v2(88.5,31.9) 87.8,32.6 87.8,38.8 87.4,39.2 87.4,43.01 85.85,44.57 85.85,65.29 85.4,65.73 85.4,73.04 85.8,73.43 v2(85.8,74)
/MEMR: length 57.8
  Top w0.2: U4.171 74.5,59.05 73.55,60 v2(73.5,60) ; U14.24 76.23,32.19 v2(76.22,32.2) ; J2.19 93.73,48 88.95,48 88.55,48.4 83.62,48.4 v2(81.06,50.96)
  In2.Cu w0.2: v2(81.06,50.96) 79.91,50.96 77.7,53.17 77.7,55.96 77.7,55.97 77.7,56.55 75.45,58.8 74.75,58.8 73.55,60 v2(73.5,60)
  Bottom w0.2: RN3.3 73.8,61.4 73.5,61.1 v2(73.5,60) ; v2(76.22,32.2) 76.22,35.82 81.85,41.45 81.85,44.51 81.06,45.3 v2(81.06,50.96)
/MEMW: length 29.3
  Top w0.2: v2(74.55,60) 75,59.55 U4.172 ; v2(79.31,52.41) 80.49,52.41 82.05,50.85 89.23,50.85 89.43,50.65 93.84,50.65 J2.21
  In2.Cu w0.2: v2(79.31,52.41) 78.1,53.62 78.1,55.8 78.1,55.8 78.1,56.72 74.82,60 v2(74.55,60)
  Bottom w0.2: v2(74.55,60) 74.4,60.15 RN3.4
/MSCLK: length 63.7
  Top w0.2: v2(58.9,97) 58.9,91.65 60.8,89.75 60.8,88.48 60.12,87.8 59,87.8 58.21,87.01 58.21,81.41 57.65,80.85 U4.34 ; v2(88.3,88.7) 88.3,93.1 85.91,95.49 v2(84.49,95.49)
  Bottom w0.2: J9.5 86.12,88.5 U19.1 88.1,88.5 v2(88.3,88.7) ; 84.49,94.51 R15.2 82.8,95.39 82.8,96.8 82.5,97.1 68.7,97.1 67.4,98.4 60.3,98.4 v2(58.9,97) ; 84.49,94.51 C66.1 ; 84.49,94.51 84.49,94.52 v2(84.49,95.49)